# Altium PCB PCB_UDC_PlacaControle_V2.0.PcbDoc (part 5 of 7) (continued)
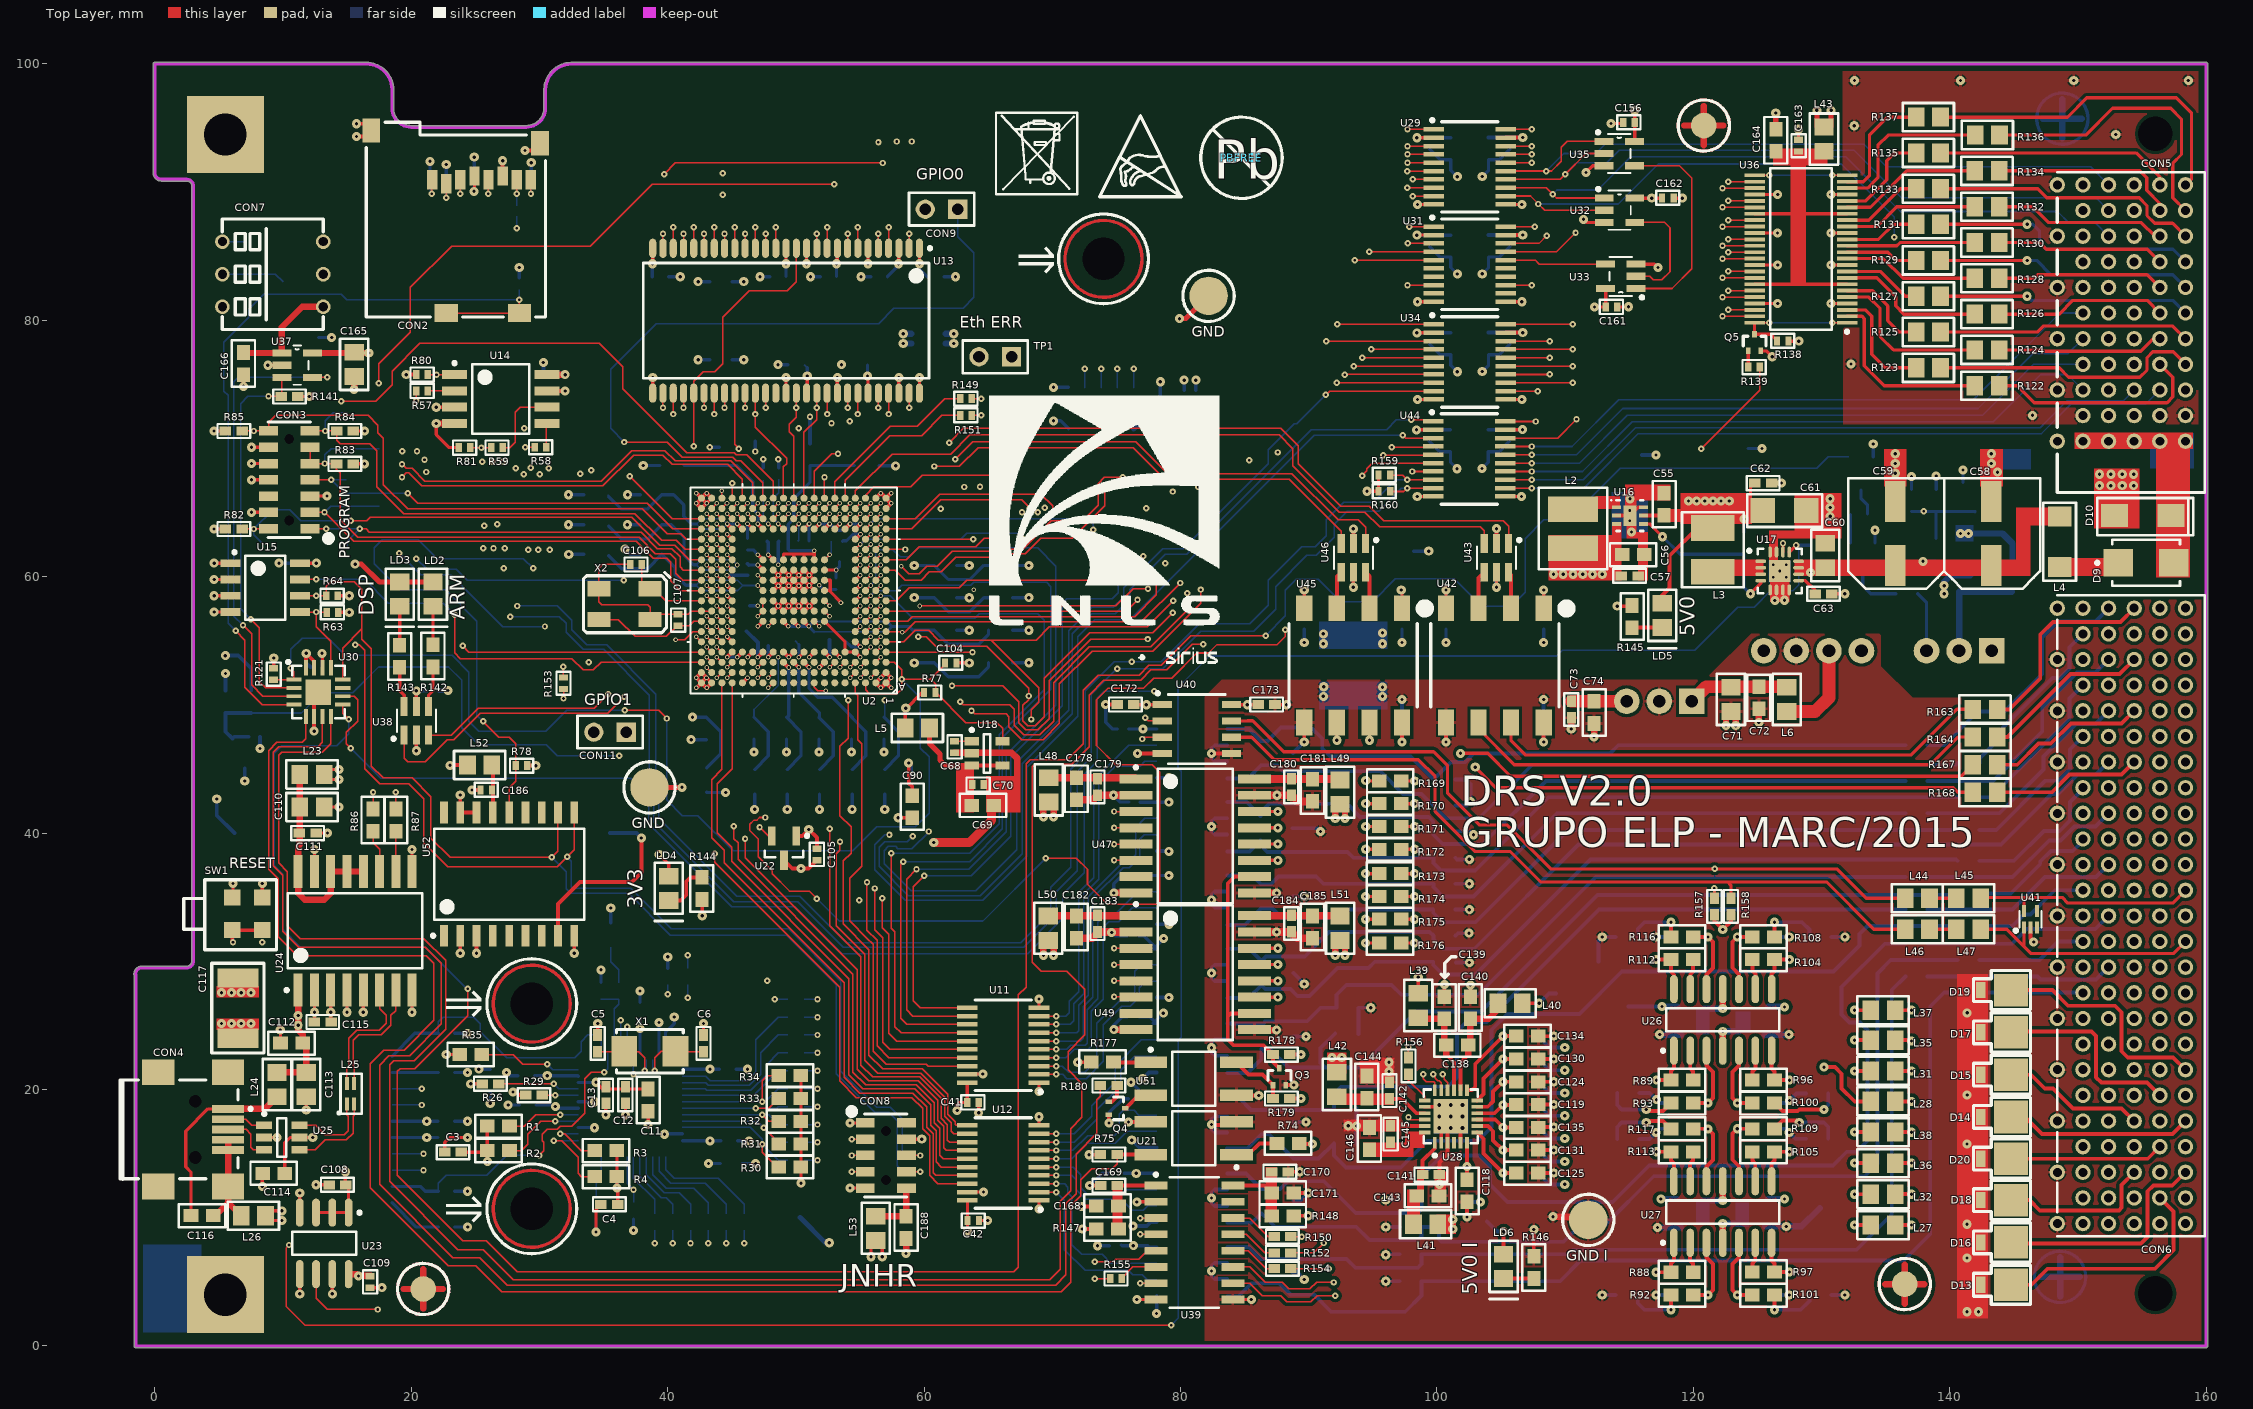
[diagram p0: Top Layer view]
## Nets (pads, with @x,y where several pads share a name; then routed paths per layer and width w, separated by ;. In a path a pad name is that pad's centre, name@x,y a point inside that pad or via, vN(x,y) a via of type N, cw(c..) or ccw(c..) an arc to the next point about the centre after c; other vN are vias at no path point) (continued)
PWM_2B: U2.E1 U36.43 U47.6 | length 106.1
  Top Layer w0.102: U2.E1@57.035,54.928 58.408,54.928 59.309,55.829 60.35,55.829 61.112,55.067 65.227,55.067 ; v2(68.377,48.87) 68.377,49.632 68.961,50.216 68.961,51.333 65.227,55.067 ; v2(74.821,37.878) U47.6@76.528,37.878 ; v2(79.451,58.128) 77.407,56.083 69.774,56.083 68.758,55.067 65.227,55.067 ; v2(122.746,82.319) U36.43@124.797,82.319
  Signal 2 w0.102: v2(68.377,48.87) 68.377,48.209 70.942,45.644 70.942,41.148 74.212,37.878 v2(74.821,37.878) ; v2(79.451,58.128) 81.547,58.128 87.808,64.389 88.113,64.389 98.273,74.549 100.589,74.549 100.792,74.346 103.048,74.346 105.181,76.479 105.181,80.01 105.969,80.797 106.909,80.797 108.43,82.319 115.497,82.319 115.976,81.839 118.745,81.839 119.225,82.319 v2(122.746,82.319)
PWM_3A: U2.F4 U36.41 U49.3 | length 129.3
  Top Layer w0.102: U2.F4@54.635,55.728 v3(55.028,56.121) ; v2(63.703,49.555) 63.957,49.301 66.396,49.301 66.624,49.073 66.624,48.285 67.615,47.295 69.291,47.295 70.561,48.565 70.561,51.644 73.121,54.204 77.851,54.204 81.585,57.937 v2(81.585,59.004) ; v2(74.821,31.02) U49.3@76.528,31.02 ; v2(122.282,83.319) U36.41@124.797,83.319
  Signal 1 w0.102: v3(55.028,56.121) 55.396,56.49 61.582,56.49 62.865,55.207 62.865,52.832 63.703,51.994 v2(63.703,49.555)
  Signal 2 w0.102: v2(63.703,49.555) 63.703,32.436 66.421,29.718 71.933,29.718 73.235,31.02 v2(74.821,31.02) ; v2(81.585,59.004) 87.401,64.821 87.859,64.821 97.942,74.905 100.813,74.905 100.914,74.803 102.184,74.803 102.845,75.463 102.845,76.86 104.597,78.613 104.597,80.493 106.655,82.55 106.655,83.049 106.918,83.312 116.027,83.312 116.521,82.819 118.226,82.819 118.72,83.312 v2@122.305,83.312
PWM_3B: U2.F3 U36.40 U49.4 | length 130
  Top Layer w0.102: U2.F3@55.435,55.728 v3(55.828,56.121) ; v2(62.814,50.267) 63.068,50.013 66.7,50.013 67.031,49.682 67.031,48.438 67.793,47.676 69.042,47.676 70.104,48.738 70.104,51.74 72.898,54.534 77.678,54.534 80.518,57.373 v2(80.518,58.699) ; v2(74.821,29.75) U49.4@76.528,29.75 ; v2(122.746,83.819) U36.40@124.797,83.819
  Signal 1 w0.102: v3(55.828,56.121) 56.222,55.728 57.506,55.728 57.937,56.159 61.261,56.159 62.179,55.241 62.179,52.299 62.814,51.664 v2(62.814,50.267)
  Signal 2 w0.102: v2(62.814,50.267) 62.814,32.36 65.964,29.21 72.085,29.21 72.626,29.75 v2(74.821,29.75) ; v2(80.518,58.699) 87.147,65.329 87.605,65.329 97.714,75.438 101.041,75.438 101.168,75.311 101.956,75.311 102.362,75.717 102.362,77.064 104.14,78.842 104.14,80.721 106.121,82.702 106.121,83.252 106.688,83.819 116.206,83.819 116.713,83.312 117.983,83.312 118.49,83.819 v2(122.746,83.819)
PWM_4A: U2.F2 U36.38 U49.5 | length 123.4
  Top Layer w0.102: U2.F2@56.236,55.702 v3@56.629,56.095 ; v2(74.821,28.48) U49.5@76.528,28.48 ; v2(122.282,84.819) U36.38@124.797,84.819
  Signal 2 w0.102: v3(56.628,56.121) 60.897,56.121 ; v2(74.821,28.48) 65.855,28.48 62.103,32.233 62.103,50.648 61.443,51.308 61.443,55.575 60.897,56.121 ; v2(122.282,84.819) 110.549,84.819 110.033,84.303 106.401,84.303 105.639,83.541 105.639,82.855 104.419,81.636 104.089,81.636 103.683,81.229 103.683,79.07 101.27,76.657 100.838,76.657 100,75.819 97.511,75.819 87.452,65.761 86.944,65.761 80.162,58.979 78.461,58.979 76.708,57.226 70.891,57.226 68.91,55.245 63.17,55.245 62.294,56.121 60.897,56.121
PWM_4B: U2.F1 U36.37 U49.6 | length 125.4
  Top Layer w0.102: U2.F1@57.035,55.728 58.242,55.728 v3(58.293,55.677) 58.496,55.677 59.309,56.49 76.962,56.49 v2(79.985,59.512) ; v2(74.821,27.231) U49.6@76.528,27.231 ; v2(122.746,85.319) U36.37@124.797,85.319
  Signal 2 w0.102: v3(58.293,55.677) 58.953,55.677 59.106,55.829 60.554,55.829 61.036,55.347 61.036,50.978 61.519,50.495 61.519,32.004 65.888,27.635 72.161,27.635 72.566,27.231 v2(74.821,27.231) ; v2@79.972,59.525 86.69,66.243 87.401,66.243 97.409,76.251 99.771,76.251 100.66,77.14 101.041,77.14 103.251,79.35 103.251,81.61 103.607,81.966 104.143,81.966 105.131,82.954 105.131,83.769 106.07,84.709 109.728,84.709 110.338,85.319 v2(122.746,85.319)
PWM_5A: U2.G4 U36.36 | length 84.5
  Top Layer w0.102: U2.G4@54.635,56.528 v3(55.028,56.921) ; v2(122.282,85.819) U36.36@124.797,85.819
  Signal 2 w0.102: v3(55.028,56.921) 55.46,56.49 68.859,56.49 70.129,57.76 75.311,57.76 78.08,60.528 79.934,60.528 86.081,66.675 87.249,66.675 97.257,76.683 99.593,76.683 100.432,77.521 100.863,77.521 102.845,79.502 102.845,81.712 103.451,82.319 103.909,82.319 104.673,83.083 104.673,84.049 105.664,85.039 109.55,85.039 110.33,85.819 v2(122.282,85.819)
PWM_5B: U2.G3 U36.35 | length 84
  Top Layer w0.102: U2.G3@55.435,56.528 v3(55.828,56.921) ; v2(122.746,86.319) U36.35@124.797,86.319
  Signal 1 w0.102: v2(76.276,60.731) 76.606,61.062 v2(78.816,61.062)
  Signal 2 w0.102: v3(55.828,56.921) 56.235,57.328 68.323,57.328 69.567,58.572 74.828,58.572 75.844,59.588 75.844,60.3 v2(76.276,60.731) ; v2(78.816,61.062) 79.705,61.062 85.852,67.208 87.097,67.208 97.079,77.191 99.39,77.191 100.228,78.029 100.559,78.029 102.311,79.781 102.311,81.839 103.276,82.804 103.784,82.804 104.267,83.287 104.267,84.43 105.334,85.496 109.144,85.496 109.966,86.319 v2(122.746,86.319)
PWM_6A: U2.G2 U36.33 | length 83.4
  Top Layer w0.102: U2.G2@56.235,56.528 v3(56.628,56.921) ; v2(122.282,87.319) U36.33@124.797,87.319
  Signal 2 w0.102: v3(56.628,56.921) 68.58,56.921 69.85,58.191 75.133,58.191 78.562,61.62 79.502,61.62 85.573,67.691 87.02,67.691 97.024,77.695 99.158,77.695 100,78.537 100.33,78.537 101.778,79.985 101.778,82.042 102.87,83.134 102.87,84.607 104.165,85.903 108.839,85.903 110.255,87.319 v2(122.282,87.319)
PWM_6B: U2.G1 U36.32 | length 87
  Top Layer w0.102: U2.G1@57.035,56.528 58.712,56.528 59.08,56.896 76.429,56.896 78.13,58.598 78.13,59.818 77.114,60.834 v2(77.114,61.595) ; v2(122.746,87.819) U36.32@124.797,87.819
  Signal 2 w0.102: v2(77.114,61.595) 77.14,61.595 77.775,62.23 79.4,62.23 85.395,68.224 86.97,68.224 96.901,78.156 98.934,78.156 99.873,79.096 100.1,79.096 101.295,80.291 101.295,82.271 102.286,83.261 102.286,85.674 104.47,87.859 109.724,87.859 110.334,88.468 114.87,88.468 115.519,87.819 v2(122.746,87.819)
PWM_7A: U2.N4 U36.30 | length 87.7
  Top Layer w0.102: U2.N4@54.635,61.328 v3(55.028,61.721) ; v2(122.282,88.819) U36.30@124.797,88.819
  Signal 1 w0.102: v3(55.028,61.721) 54.635,62.114 54.635,64.34 54.836,64.541 61.62,64.541 63.144,66.065 v2(63.144,67.005) ; v2@79.172,69.698 v2(87.579,69.698)
  Signal 2 w0.102: v2(63.144,67.005) 63.144,67.818 65.024,69.698 v2(79.197,69.698) ; v2(87.579,69.698) 87.706,69.698 97.612,79.604 99.924,79.604 100.838,80.518 100.838,84.963 104.216,88.341 109.525,88.341 110.058,88.875 115.164,88.875 115.697,88.341 121.183,88.341 121.661,88.819 v2(122.282,88.819)
PWM_7B: U2.M4 U36.29 | length 88
  Top Layer w0.102: U2.M4@54.635,60.528 v3(55.028,60.921) ; v2(122.746,89.319) U36.29@124.797,89.319
  Signal 1 w0.102: v3(55.028,60.921) 55.421,61.315 55.421,63.626 55.499,63.703 57.048,63.703 57.506,64.16 62.103,64.16 64.364,66.421 v2(64.364,67.031) ; v2(78.715,69.088) v2(85.369,69.088)
  Signal 2 w0.102: v2(64.364,67.031) 64.364,68.073 65.379,69.088 v2(78.715,69.088) ; v2(85.369,69.088) 94.844,78.562 95.961,78.562 97.282,79.883 99.543,79.883 100.305,80.645 100.305,85.217 104.953,89.865 108.128,89.865 108.674,89.319 115.578,89.319 116.149,88.748 120.155,88.748 120.726,89.319 v2(122.746,89.319)
PWM_8A: U2.H4 U36.27 | length 87.4
  Top Layer w0.102: U2.H4@54.635,57.328 v3(55.028,57.721) ; v2(122.282,90.322) U36.27@124.797,90.322
  Signal 1 w0.102: v3(55.028,57.721) 55.421,57.328 60.782,57.328 62.431,58.977 v3(63.881,58.977)
  Signal 2 w0.102: v3(63.881,58.977) 73.43,58.977 77.267,62.814 79.172,62.814 82.728,66.37 82.728,67.259 94.428,78.96 95.771,78.96 97.075,80.264 99.365,80.264 99.898,80.797 99.898,85.522 104.699,90.322 v2(122.282,90.322)
PWM_8B: U2.H3 U36.26 | length 86.5
  Top Layer w0.102: U2.H3@55.435,57.328 v3(55.828,57.721) ; v2(122.746,90.819) U36.26@124.797,90.819
  Signal 2 w0.102: v3(55.828,57.721) 56.247,58.141 58.094,58.141 58.906,58.953 60.782,58.953 61.239,59.411 73.279,59.411 77.19,63.321 78.968,63.321 82.118,66.472 82.118,67.285 94.209,79.375 95.682,79.375 96.977,80.67 99.111,80.67 99.492,81.051 99.492,85.852 104.458,90.819 v2(122.746,90.819)
PWM_E_OUT_CTR: R180.1 U30.7 | length 127.1
  Top Layer w0.102: U30.7@13.076,49.103 13.076,47.086 12.725,46.736 9.677,46.736 9.246,46.304 9.246,37.465 9.982,36.728 9.982,32.36 11.227,31.115 21.082,31.115 22.352,29.845 22.352,25.121 19.863,22.631 18.263,22.631 17.526,21.895 17.526,12.598 23.241,6.883 25.324,6.883 27.483,4.724 70.256,4.724 71.069,5.537 71.069,11.1 71.857,11.887 71.857,14.961 73.482,16.586 73.482,19.202 73.759,19.48 R180.1@73.759,20.32 ; R180.1@73.66,20.32 R180.1@73.71,20.37
PWM_EN_FIBER: R139.1 U30.10 | length 160.5
  Top Layer w0.102: U30.10@14.651,50.678 15.54,50.678 15.824,50.394 15.824,48.743 14.935,47.854 14.935,46.965 v2(15.291,46.609) ; v2(120.637,69.99) 125.184,74.536 R139.1@125.184,76.341
  Signal 2 w0.102: v2(77.953,51.079) 78.334,51.079 80.645,53.391 80.645,54.407 84.252,58.014 93.904,58.014 95.58,59.69 95.58,67.945 96.926,69.291 99.104,69.291 102.965,65.43 107.442,65.43 109.525,67.513 118.161,67.513 v2(120.637,69.99)
  Bottom Layer w0.102: v2(15.291,46.609) 17.622,44.278 37.129,44.278 38.532,42.875 38.532,40.716 44.983,34.265 49.911,34.265 53.569,30.607 68.072,30.607 70.815,33.35 70.815,35.23 72.492,36.906 72.492,44.602 73.508,45.618 73.508,50.521 74.066,51.079 v2(77.953,51.079)
PWM_EN_OUT: Q3.3 R178.2 U47.10 U49.10 | length 22
  Top Layer w0.3: U49.10@85.778,25.94 83.947,25.94 83.693,25.686 ; U47.10@85.778,36.608 84.233,36.608 83.693,36.068 83.693,25.686 ; Q3.3@87.719,21.647 87.219,22.147 R178.2@87.219,22.728 86.488,23.459 84.145,23.459 83.693,23.911 83.693,25.686
PWM_OF1: CON5.B8 R122.2 | length 17.2
  Top Layer w0.254: R122.2@143.866,74.901 145.292,74.901 146.609,73.584 156.961,73.584 157.404,74.027 157.404,75.568 CON5.B8@156.4,76.572
PWM_OF2: CON5.A8 R123.2 | length 21.2
  Top Layer w0.254: R123.2@139.294,76.298 148.543,76.298 149.273,75.568 154.842,75.568 155.397,76.124 155.397,77.089 155.854,77.546 157.446,77.546 CON5.A8@158.42,76.572
PWM_OF3: CON5.B7 R124.2 | length 13
  Top Layer w0.254: R124.2@143.866,77.695 147.146,77.695 147.244,77.597 154.915,77.597 155.854,78.537 CON5.B7@156.4,78.537
PWM_OF4: CON5.A7 R125.2 | length 19.7
  Top Layer w0.254: R125.2@139.294,79.092 146.833,79.092 147.295,79.553 157.419,79.553 CON5.A7@158.4,78.572
PWM_OF5: CON5.B6 R126.2 | length 13.4
  Top Layer w0.254: R126.2@143.866,80.489 148.535,80.489 149.606,81.559 155.413,81.559 CON5.B6@156.4,80.572
PWM_OF6: CON5.A6 R127.2 | length 19.7
  Top Layer w0.254: R127.2@139.294,81.886 v1(146.05,81.886)
  Bottom Layer w0.254: v1(146.05,81.886) 146.376,81.559 157.413,81.559 CON5.A6@158.4,80.572
PWM_OF7: CON5.B5 R128.2 | length 13.1
  Top Layer w0.254: R128.2@143.866,83.283 146.579,83.283 146.863,83.566 155.406,83.566 CON5.B5@156.4,82.572
PWM_OF8: CON5.A5 R129.2 | length 20
  Top Layer w0.254: R129.2@139.294,84.68 v1(146.05,84.68)
  Bottom Layer w0.254: v1(146.05,84.68) 146.791,84.68 147.904,83.566 157.406,83.566 CON5.A5@158.4,82.572
PWM_OF9: CON5.B4 R130.2 | length 13.2
  Top Layer w0.254: R130.2@143.866,86.077 147.019,86.077 147.549,85.547 155.425,85.547 CON5.B4@156.4,84.572
PWM_OF10: CON5.A4 R131.2 | length 20.9
  Top Layer w0.254: R131.2@139.294,87.499 v1(146.05,87.499)
  Bottom Layer w0.254: v1(146.05,87.499) 146.486,87.499 147.015,86.97 147.015,86.055 147.523,85.547 157.425,85.547 CON5.A4@158.4,84.572
PWM_OF11: CON5.B3 R132.2 | length 13.5
  Top Layer w0.254: R132.2@143.866,88.871 146.486,88.871 147.726,87.63 154.965,87.63 156.023,86.572 CON5.B3@156.4,86.572
PWM_OF12: CON5.A3 R133.2 | length 21.1
  Top Layer w0.254: R133.2@139.294,90.268 146.867,90.268 147.566,89.568 154.788,89.568 155.397,88.959 155.397,88.174 155.992,87.579 157.393,87.579 CON5.A3@158.4,86.572
PWM_OF13: CON5.B2 R134.2 | length 14.7
  Top Layer w0.254: R134.2@143.866,91.665 154.842,91.665 155.372,91.135 155.372,90.145 156.4,89.116 CON5.B2@156.4,88.572
PWM_OF14: CON5.B1 R135.2 | length 18.5
  Top Layer w0.254: R135.2@139.294,93.062 154.542,93.062 156.4,91.203 CON5.B1@156.4,90.572
PWM_OF15: CON5.A2 R136.2 | length 23.2
  Top Layer w0.254: R136.2@143.891,94.459 150.618,94.459 152.705,96.545 157.251,96.545 158.09,95.707 158.09,92.939 157.404,92.253 157.404,89.568 CON5.A2@158.4,88.572
PWM_OF16: CON5.A1 R137.2 | length 26.5
  Top Layer w0.254: R137.2@139.294,95.856 149.196,95.856 150.698,97.358 157.683,97.358 158.877,96.164 158.877,91.049 CON5.A1@158.4,90.572
PWM_SOC: U2.L2 U31.8 | length 53.4
  Top Layer w0.102: U2.L2@56.235,59.728 v3(56.628,60.121) ; v2(97.714,82.754) U31.8@99.765,82.754
  Signal 2 w0.102: v3(56.628,60.121) 57.034,59.715 59.792,59.715 60.325,60.249 63.983,60.249 64.592,60.858 66.878,60.858 67.666,61.646 74.219,61.646 76.886,64.313 77.927,64.313 81.966,68.351 82.525,68.351 96.927,82.754 v2(97.714,82.754)
PWM_SOC_5V: CON5.E5 U31.13 | length 46.2
  Top Layer w0.127: U31.13@105.365,82.754 v2(107.417,82.754)
  Signal 2 w0.127: v2(107.417,82.754) 115.823,82.754 116.259,82.319 118.514,82.319 118.949,82.754 122.511,82.754 122.576,82.819 146.979,82.819 147.828,83.668 148.819,83.668 149.914,82.572 CON5.E5@150.4,82.572
RS-485_RD: CON8.5 U2.F17 | length 81
  Top Layer w0.102: v3(43.842,56.121) U2.F17@44.235,55.728 ; v2(54.356,14.859) CON8.5@55.408,14.859
  Signal 2 w0.102: v3(43.842,56.121) 43.434,56.529 43.434,57.201 43.307,57.328 29.718,57.328 27.915,55.524 27.915,36.881 32.664,32.131 46.787,32.131 50.02,28.898 50.02,15.868 50.775,15.113 52.629,15.113 52.883,14.859 v2(54.356,14.859)
RS-485_RX: CON8.7 U2.J18 | length 82.1
  Top Layer w0.102: v3(43.042,58.521) U2.J18@43.435,58.128 ; v2(54.356,13.589) CON8.7@55.408,13.589
  Signal 2 w0.102: v3(43.042,58.521) 40.264,58.521 39.463,57.721 29.425,57.721 27.432,55.728 27.432,36.805 32.41,31.826 46.609,31.826 49.678,28.757 49.678,14.711 50.8,13.589 v2(54.356,13.589)
RS-485_TX: CON8.3 U2.G18 | length 76.7
  Top Layer w0.102: v3(43.042,56.921) U2.G18@43.435,56.528 ; v2(54.356,16.129) CON8.3@55.408,16.129
  Signal 2 w0.102: v3(43.042,56.921) 37.185,56.921 30.048,56.921 28.397,55.27 28.397,36.932 32.893,32.436 46.939,32.436 50.343,29.032 50.343,17.348 51.156,16.535 52.857,16.535 53.264,16.129 v2(54.356,16.129)
RTC-TIMER: R78.2 U2.N17 U52.14 | length 56.9
  Top Layer w0.102: v2@25.578,48.743 26.839,47.482 27.635,47.482 28.158,46.959 R78.2@28.158,45.263 28.158,44.058 27.635,43.536 U52.14@27.635,41.605 ; v3(43.842,61.721) U2.N17@44.235,61.328
  Signal 2 w0.102: v2@29.515,60.604 35.001,60.604 35.357,60.96 38.557,60.96 38.913,61.316 43.436,61.316 v3(43.842,61.721)
  Bottom Layer w0.102: v2(25.603,48.717) 25.121,49.2 25.121,56.54 22.682,58.979 19.152,58.979 17.12,61.011 17.12,62.255 17.755,62.89 20.549,62.89 22.022,61.417 28.753,61.417 v2(29.515,60.655)
SCI_RD: U2.C2 U44.3 | length 88.5
  Top Layer w0.102: U2.C2@56.235,53.328 v3(56.628,53.721) ; v2(97.333,71.044) 97.562,70.815 U44.3@99.74,70.815
  Signal 2 w0.102: v3(56.628,53.721) 57.937,53.721 58.522,53.137 58.522,52.807 59.449,51.88 59.449,46.241 59.665,46.025 59.665,41.735 57.808,39.878 v2(57.302,39.878)
  Bottom Layer w0.102: v2(57.302,39.878) 56.921,39.878 56.159,39.116 56.159,37.16 58.547,34.773 64.592,34.773 68.021,38.202 68.021,45.136 71.992,49.107 71.992,55.33 73.304,56.642 76.035,56.642 90.437,71.044 v2(97.333,71.044)
SCI_RD_5V: CON5.C8 U44.18 | length 51.4
  Top Layer w0.127: U44.18@105.34,70.815 109.423,70.815 v2(110.896,72.288)
  Signal 2 w0.127: v2(110.896,72.288) 144.043,72.288 147.345,75.59 153.418,75.59 CON5.C8@154.4,76.572
SCIRXDA: U2.D2 U44.1 | length 91.2
  Top Layer w0.102: U2.D2@56.235,54.128 v3(56.628,54.521) ; v2(98.019,72.238) 99.617,72.238 U44.1@99.74,72.115
  Signal 2 w0.102: v3(56.628,54.521) 59.449,54.521 60.02,53.95 60.02,46.406 60.249,46.177 60.249,40.894 v2(59.106,39.751)
  Bottom Layer w0.102: v2(59.106,39.751) 58.674,39.319 56.921,39.319 56.51,38.908 56.51,37.404 58.786,35.128 64.389,35.128 67.666,38.405 67.666,45.415 71.577,49.327 71.577,55.575 73.101,57.099 74.917,57.099 76.048,58.229 76.048,58.979 78.816,61.747 80.493,61.747 90.221,71.476 96.088,71.476 96.85,72.238 v2(98.019,72.238)
SCIRXDA_5V: CON5.C7 U44.20 | length 51.7
  Top Layer w0.127: U44.20@105.34,72.115 v2(107.725,72.115)
  Signal 2 w0.127: v2(107.725,72.115) 108.534,72.923 142.859,72.923 147.507,77.572 153.4,77.572 CON5.C7@154.4,78.572
SCITXDA: U2.D3 U34.9 | length 94.1
  Top Layer w0.102: U2.D3@55.435,54.128 v3(55.828,54.521) ; v2(91.338,74.193) 91.629,74.484 U34.9@99.765,74.484
  Signal 2 w0.102: v3(55.828,54.521) 56.222,54.915 59.766,54.915 60.579,54.102 60.579,46.685 60.935,46.33 60.935,40.665 v2@60.401,40.132
  Bottom Layer w0.102: v2@60.389,40.119 59.055,38.786 57.963,38.786 57.785,38.964 57.201,38.964 56.881,38.644 56.881,37.632 59.004,35.509 64.018,35.509 67.234,38.725 67.234,45.542 71.272,49.581 71.272,55.804 73.101,57.633 74.778,57.633 75.565,58.42 75.565,59.131 78.613,62.179 80.239,62.179 86.868,68.809 86.868,69.926 88.875,71.933 89.078,71.933 91.313,74.168 v2@91.44,74.168
  other v2: 60.376,40.132
SCITXDA_5V: CON5.C6 U34.12 | length 51.6
  Top Layer w0.127: U34.12@105.365,74.484 v2(107.871,74.484)
  Signal 2 w0.127: v2(107.871,74.484) 142.392,74.484 147.461,79.553 153.381,79.553 CON5.C6@154.4,80.572
SD_ATT: CON2.10 R60.2 U30.4 | length 64.6
  Top Layer w0.102: v2(6.299,55.779) 7.01,55.067 7.01,51.384 8.366,50.028 U30.4@10.851,50.028 ; CON2.10@22.73,80.564 28.415,80.564 28.423,80.571 v2(28.423,81.61)
  Bottom Layer w0.102: v2(6.299,55.779) 5.715,56.363 5.715,74.147 5.385,74.477 5.385,78.308 7.341,80.264 7.341,80.874 8.509,82.042 14.529,82.042 14.961,81.61 v2(28.423,81.61) R60.2@28.423,82.387
SDRAM_AD0: U2.U7 U13.2 U13.23 | length 45.8
  Top Layer w0.102: U13.23@42.037,85.626 v2(42.036,87.256) ; U2.U7@52.235,64.528 v3(52.628,64.921) ; U13.2@58.837,85.626 v2(58.837,86.766)
  Signal 1 w0.102: v2(42.036,87.256) 42.715,87.935 55.88,87.935 57.048,86.766 v2(58.837,86.766)
  Signal 2 w0.102: v3(52.628,64.921) 53.061,65.354 53.061,66.98 57.912,71.831 57.912,73.863 57.302,74.473 57.302,81.407 58.837,82.941 v2(58.837,86.766)
SDRAM_AD1: U2.V7 U13.4 U13.24 | length 45.4
  Top Layer w0.102: U13.24@41.237,85.626 v2(41.237,86.766) ; U2.V7@52.235,65.328 v3(52.628,65.721) ; U13.4@57.237,85.626 v2(57.236,87.256)
  Signal 1 w0.102: v2(41.237,86.766) 41.237,88.023 41.885,88.671 56.693,88.671 57.236,88.128 v2(57.236,87.256)
  Signal 2 w0.102: v3(52.628,65.721) 52.628,67.36 55.88,70.612 55.88,73.711 56.718,74.549 56.718,84.089 57.236,84.608 v2(57.236,87.256)
SDRAM_AD2: U2.W8 U13.5 U13.25 | length 47.5
  Top Layer w0.102: U13.25@40.437,85.626 v2(40.436,87.256) ; U2.W8@51.435,66.128 51.435,68.224 52.807,69.596 v2(53.289,69.596) ; U13.5@56.437,85.626 v2(56.437,86.766)
  Signal 1 w0.102: v2@53.264,69.596 55.27,69.596 58.014,72.339 58.014,73.812 56.437,75.389 v2(56.437,86.766)
  Signal 2 w0.102: v2(40.436,87.256) 40.436,88.188 41.529,89.281 55.347,89.281 56.437,88.191 v2(56.437,86.766)
SDRAM_AD3: U2.W7 U13.7 U13.26 | length 43.3
  Top Layer w0.102: U13.26@39.637,85.626 v2(39.637,86.766) ; U2.W7@52.235,66.128 v2(52.235,67.759) ; U13.7@54.837,85.626 v2(54.836,87.256)
  Signal 2 w0.102: v2(39.637,86.766) 40.564,86.766 41.732,87.935 42.52,87.935 43.383,88.798 49.174,88.798 50.114,87.859 54.508,87.859 54.836,87.531 v2(54.836,87.256) 54.836,84.326 54.407,83.896 54.407,83.083 56.21,81.28 56.21,74.955 55.423,74.168 55.423,70.947 v2(52.235,67.759)
SDRAM_AD4: U2.V8 U13.8 U13.29 | length 42.3
  Top Layer w0.102: v2(39.637,73.185) U13.29@39.637,74.326 ; U2.V8@51.435,65.328 v3(51.828,65.721) ; U13.8@54.037,85.626 v2(54.037,86.766)
  Signal 1 w0.102: v2(39.637,73.185) 39.637,72.2 40.538,71.298 41.783,71.298 42.393,70.688 51.054,70.688 51.765,71.399 53.467,71.399 v2(54.204,72.136)
  Signal 2 w0.102: v3(51.828,65.721) 51.828,69.013 54.204,71.389 v2(54.204,72.136) 54.204,72.746 54.534,73.076 54.534,74.27 54.966,74.701 54.966,81.305 54.037,82.234 v2(54.037,86.766)
SDRAM_AD5: U2.V9 U13.10 U13.30 | length 41.2
  Top Layer w0.102: v2(40.437,72.695) U13.30@40.437,74.326 ; U2.V9@50.635,65.328 v3(51.028,65.721) ; U13.10@52.437,85.626 v2(52.436,87.256)
  Signal 1 w0.102: v2(40.437,72.695) 40.437,72.314 40.843,71.907 41.783,71.907 42.57,71.12 50.522,71.12 51.386,71.984 v2(52.781,71.984)
  Signal 2 w0.102: v3(51.028,65.721) 51.028,70.23 v2(52.781,71.984) 53.213,72.415 53.213,74.371 54.432,75.59 54.432,80.747 52.578,82.601 52.578,87.115 v2(52.436,87.256)
SDRAM_AD6: U2.V10 U13.11 U13.31 | length 34.6
  Top Layer w0.102: v2(41.237,73.185) U13.31@41.237,74.326 ; U2.V10@49.835,65.328 v3(50.228,65.721) ; U13.11@51.637,85.626 v2(51.637,86.766)
  Signal 1 w0.102: v2(41.237,73.185) 41.268,73.185 42.951,71.501 49.022,71.501 49.428,71.907 49.911,71.907 v2(50.241,71.577)
  Signal 2 w0.102: v3(50.228,65.721) 50.228,72.504 51.791,74.066 51.791,84.176 51.637,84.33 v2(51.637,86.766)
SDRAM_AD7: U2.U8 U13.13 U13.32 | length 35.1
  Top Layer w0.102: v2(42.036,70.18) U13.32@42.037,74.326 42.037,75.26 42.774,75.997 43.663,75.997 44.298,76.632 44.298,80.239 46.355,82.296 49.336,82.296 50.037,82.997 U13.13@50.037,85.626 ; U2.U8@51.435,64.528 v3(51.828,64.921)
  Signal 1 w0.102: v2(42.036,70.18) 42.037,69.52 44.882,66.675 45.364,66.675 45.847,66.192 45.847,64.668 45.974,64.541 51.448,64.541 v3(51.828,64.921)
SDRAM_AD8: U2.W10 U13.33 U13.42 | length 18.4
  Top Layer w0.102: v2(42.837,73.185) U13.33@42.837,74.326 ; U2.W10@49.835,66.128 49.835,70.968 49.505,71.298 49.505,71.907 50.037,72.439 v2(50.037,73.185) U13.42@50.037,74.326
  Signal 1 w0.102: v2(42.837,73.185) 42.837,72.429 43.383,71.882 48.075,71.882 49.378,73.185 v2(50.037,73.185)
SDRAM_AD9: U2.W9 U13.34 U13.44 | length 19.2
  Top Layer w0.102: v2(43.637,72.695) U13.34@43.637,74.326 ; U2.W9@50.635,66.128 50.635,71.26 51.637,72.261 v2(51.637,73.185) U13.44@51.637,74.326
  Signal 1 w0.102: v2(43.637,72.695) 44.094,72.238 47.854,72.238 49.276,73.66 50.47,73.66 50.945,73.185 v2(51.637,73.185)
SDRAM_AD10: U2.U10 U13.22 U13.45 | length 37.5
  Top Layer w0.102: U13.22@42.837,85.626 v2(42.837,86.766) ; U2.U10@49.835,64.528 v3(50.228,64.921) ; v2(52.437,72.695) U13.45@52.437,74.326
  Signal 2 w0.102: v2(42.837,86.766) 42.837,87.63 43.649,88.443 48.844,88.443 49.809,87.478 51.562,87.478 52.146,86.893 52.146,82.268 52.437,81.977 v2(52.437,72.695) 50.622,70.88 50.622,65.315 v3(50.228,64.921)
SDRAM_AD11: U2.U9 U13.35 U13.47 | length 22.7
  Top Layer w0.102: v2(44.437,73.185) U13.35@44.437,74.326 ; U2.U9@50.635,64.528 v3(51.028,64.921) ; v2(54.037,73.185) U13.47@54.037,74.326
  Signal 1 w0.102: v2(44.437,73.185) 44.965,73.185 45.847,74.066 53.155,74.066 v2(54.037,73.185)
  Signal 2 w0.102: v3(51.028,64.921) 51.435,65.328 51.435,69.418 53.594,71.577 53.594,72.771 54.008,73.185 v2(54.037,73.185)
SDRAM_AD12: U2.U14 U13.36 U13.48 | length 23.2
  Top Layer w0.102: U13.36@45.237,74.326 45.237,70.321 v2(45.555,70.002) ; v3(46.242,64.921) U2.U14@46.635,64.528 ; v2(54.837,72.695) U13.48@54.837,74.326
  Signal 1 w0.102: v3(46.242,64.921) 46.634,65.314 46.634,68.402 45.555,69.481 v2(45.555,70.002) 45.874,70.321 51.423,70.321 52.045,70.942 53.899,70.942 54.837,71.88 v2(54.837,72.695)
SDRAM_BA0D13: U2.V11 U13.20 U13.50 | length 35.9
  Top Layer w0.102: U13.20@44.437,85.626 v2(44.437,86.766) ; U2.V11@49.035,65.328 v3(49.428,65.721) ; v2(56.437,73.185) U13.50@56.437,74.326
  Signal 1 w0.102: v2(44.437,86.766) 44.437,82.589 46.965,80.061 52.197,80.061 54.28,77.978 54.28,75.341 v2(56.437,73.185) 56.437,72.743 54.229,70.536 52.426,70.536 49.428,67.538 v3(49.428,65.721)
SDRAM_BA1D14: U2.U12 U13.21 U13.51 | length 40.9
  Top Layer w0.102: U13.21@43.637,85.626 v2(43.636,87.256) ; U2.U12@48.235,64.528 v3(48.628,64.921) ; v2(57.237,72.695) U13.51@57.237,74.326
  Signal 1 w0.102: v2(43.636,87.256) 44.596,87.256 45.035,86.817 45.035,82.803 47.295,80.543 52.553,80.543 54.813,78.283 54.813,75.413 56.21,74.016 56.896,74.016 57.237,73.675 v2(57.237,72.695) 54.671,70.129 52.68,70.129 49.835,67.285 49.835,65.608 49.53,65.303 49.01,65.303 v3(48.628,64.921)
SDRAM_CASN: U2.V12 U13.17 | length 25.5
  Top Layer w0.102: v2(46.836,87.256) U13.17@46.837,85.626 U13.17@46.838,85.625 ; U2.V12@48.235,65.328 v3(48.628,65.721)
  Signal 2 w0.102: v2(46.836,87.256) 46.836,85.015 49.936,81.915 49.936,75.082 49.505,74.651 49.505,66.598 v3(48.628,65.721)
SDRAM_CLK: R79.2 U2.W11 U13.38 | length 10.1
  Top Layer w0.102: U13.38@46.837,74.326 v2(46.837,72.695) 46.837,71.68 49.276,69.24 49.276,68.809 49.035,68.567 U2.W11@49.035,66.128
  Bottom Layer w0.102: R79.2@46.838,71.887 v2(46.837,72.695)
SDRAM_CLKE: U2.V16 U13.37 | length 9.4
  Top Layer w0.102: U2.V16@45.035,65.328 v3(45.428,65.721) ; v2(46.037,73.185) U13.37@46.037,74.326
  Signal 2 w0.102: v3(45.428,65.721) 45.428,67.094 46.037,67.703 v2(46.037,73.185)
SDRAM_CSN: U2.V14 U13.19 | length 24.7
  Top Layer w0.102: U13.19@45.237,85.626 v2(45.236,87.256) ; U2.V14@46.635,65.328 v3(47.028,65.721)
  Signal 2 w0.102: v2(45.236,87.256) 45.236,76.557 47.142,74.651 47.142,73 47.32,72.822 47.32,69.621 47.028,69.329 v3(47.028,65.721)
SDRAM_D15: U2.U11 U13.53 | length 16.6
  Top Layer w0.102: U2.U11@49.035,64.528 v3(49.428,64.921) ; v2(58.837,73.185) U13.53@58.837,74.326
  Signal 1 w0.102: v3(49.428,64.921) 49.681,64.921 50.038,65.278 51.181,65.278 51.448,65.545 51.448,68.009 52.07,68.631 55.321,68.631 58.837,72.146 v2(58.837,73.185)
SDRAM_DQMH: U2.V13 U13.39 | length 9.3
  Top Layer w0.102: U2.V13@47.422,65.329 v3(47.815,65.722) ; v2(47.637,73.185) U13.39@47.637,74.326
  Signal 2 w0.102: v2(47.637,73.185) 47.637,69.813 47.904,69.545 47.904,65.811 v3(47.815,65.722)
SDRAM_DQML: U2.W16 U13.15 | length 29.5
  Top Layer w0.102: U2.W16@45.035,66.128 v2(45.035,67.297) ; U13.15@48.436,85.626 v2(48.436,87.256)
  Signal 2 w0.102: v2(45.035,67.297) 45.035,71.679 45.72,72.365 45.72,72.873 45.364,73.228 45.364,74.828 43.967,76.225 43.967,86.944 44.247,87.224 44.247,87.909 44.425,88.087 48.184,88.087 48.436,87.835 v2(48.436,87.256)
SDRAM_RASN: U2.U15 U13.18 | length 27.2
  Top Layer w0.102: v3(45.442,64.921) U2.U15@45.835,64.528 ; U13.18@46.037,85.626 v2(46.037,86.766)
  Signal 2 w0.102: v3(45.442,64.921) 45.442,64.949 45.745,65.253 47.981,65.253 48.235,65.507 48.235,69.621 48.628,70.015 48.628,75.464 47.815,76.277 47.815,81.623 46.609,82.829 46.609,83.693 46.037,84.265 v2(46.037,86.766)
SDRAM_WEN: U2.V15 U13.16 | length 28.8
  Top Layer w0.102: U2.V15@45.835,65.328 v3(46.228,65.721) ; U13.16@47.637,85.626 v2(47.637,86.766)
  Signal 2 w0.102: v3(46.228,65.721) 46.228,67.335 46.482,67.589 46.482,69.342 46.38,69.444 46.38,72.898 46.634,73.152 46.634,74.447 44.577,76.505 44.577,86.131 44.907,86.462 44.907,86.893 44.653,87.147 44.653,87.528 44.856,87.732 47.447,87.732 47.637,87.542 v2(47.637,86.766)
SPI_ADC_MISO: R156.2 U28.19 | length 2.6
  Top Layer w0.102: R156.2@97.79,21.201 97.79,20.722 99.041,19.471 U28.19@99.041,19.156
SPI_ADC_MISO_I: R155.1 U2.F19 | length 93.2
  Top Layer w0.102: v3(40.615,55.093) 41.326,55.093 41.961,55.728 U2.F19@42.635,55.728 ; v2(73.304,5.258) R155.1@74.523,5.258
  Signal 2 w0.102: v3(40.615,55.093) 32.08,55.093 30.886,53.899 30.886,40.695 36.656,34.925 48.539,34.925 54.606,28.858 54.606,22.508 57.937,19.177 64.364,19.177 66.497,17.043 66.497,7.747 68.986,5.258 v2(73.304,5.258)
SPI_ADC_MOSI: R154.2 U28.18 | length 33.5
  Top Layer w0.102: R154.2@88.607,6.024 v2(91.567,6.024) ; v2(98.956,21.198) 98.956,20.83 99.178,20.608 99.773,20.608 99.841,20.54 U28.18@99.841,19.956
  Signal 1 w0.102: 89.466,6.024 92.113,6.024 92.964,6.876 92.964,15.059 94.742,16.837 94.742,23.749 95.377,24.384 97.968,24.384 98.956,23.396 v2(98.956,21.198)
SPI_ADC_MOSI_I: R153.1 U2.F16 | length 16.1
  Top Layer w0.102: R153.1@31.852,52.172 v2(31.852,52.984) ; v3(44.642,56.121) U2.F16@45.035,55.728
  Signal 2 w0.102: v2(31.852,52.984) 31.852,54.072 32.365,54.585 40.792,54.585 41.91,55.702 44.223,55.702 v3(44.642,56.121)